# KiCad board microsdmapper.kicad_pcb
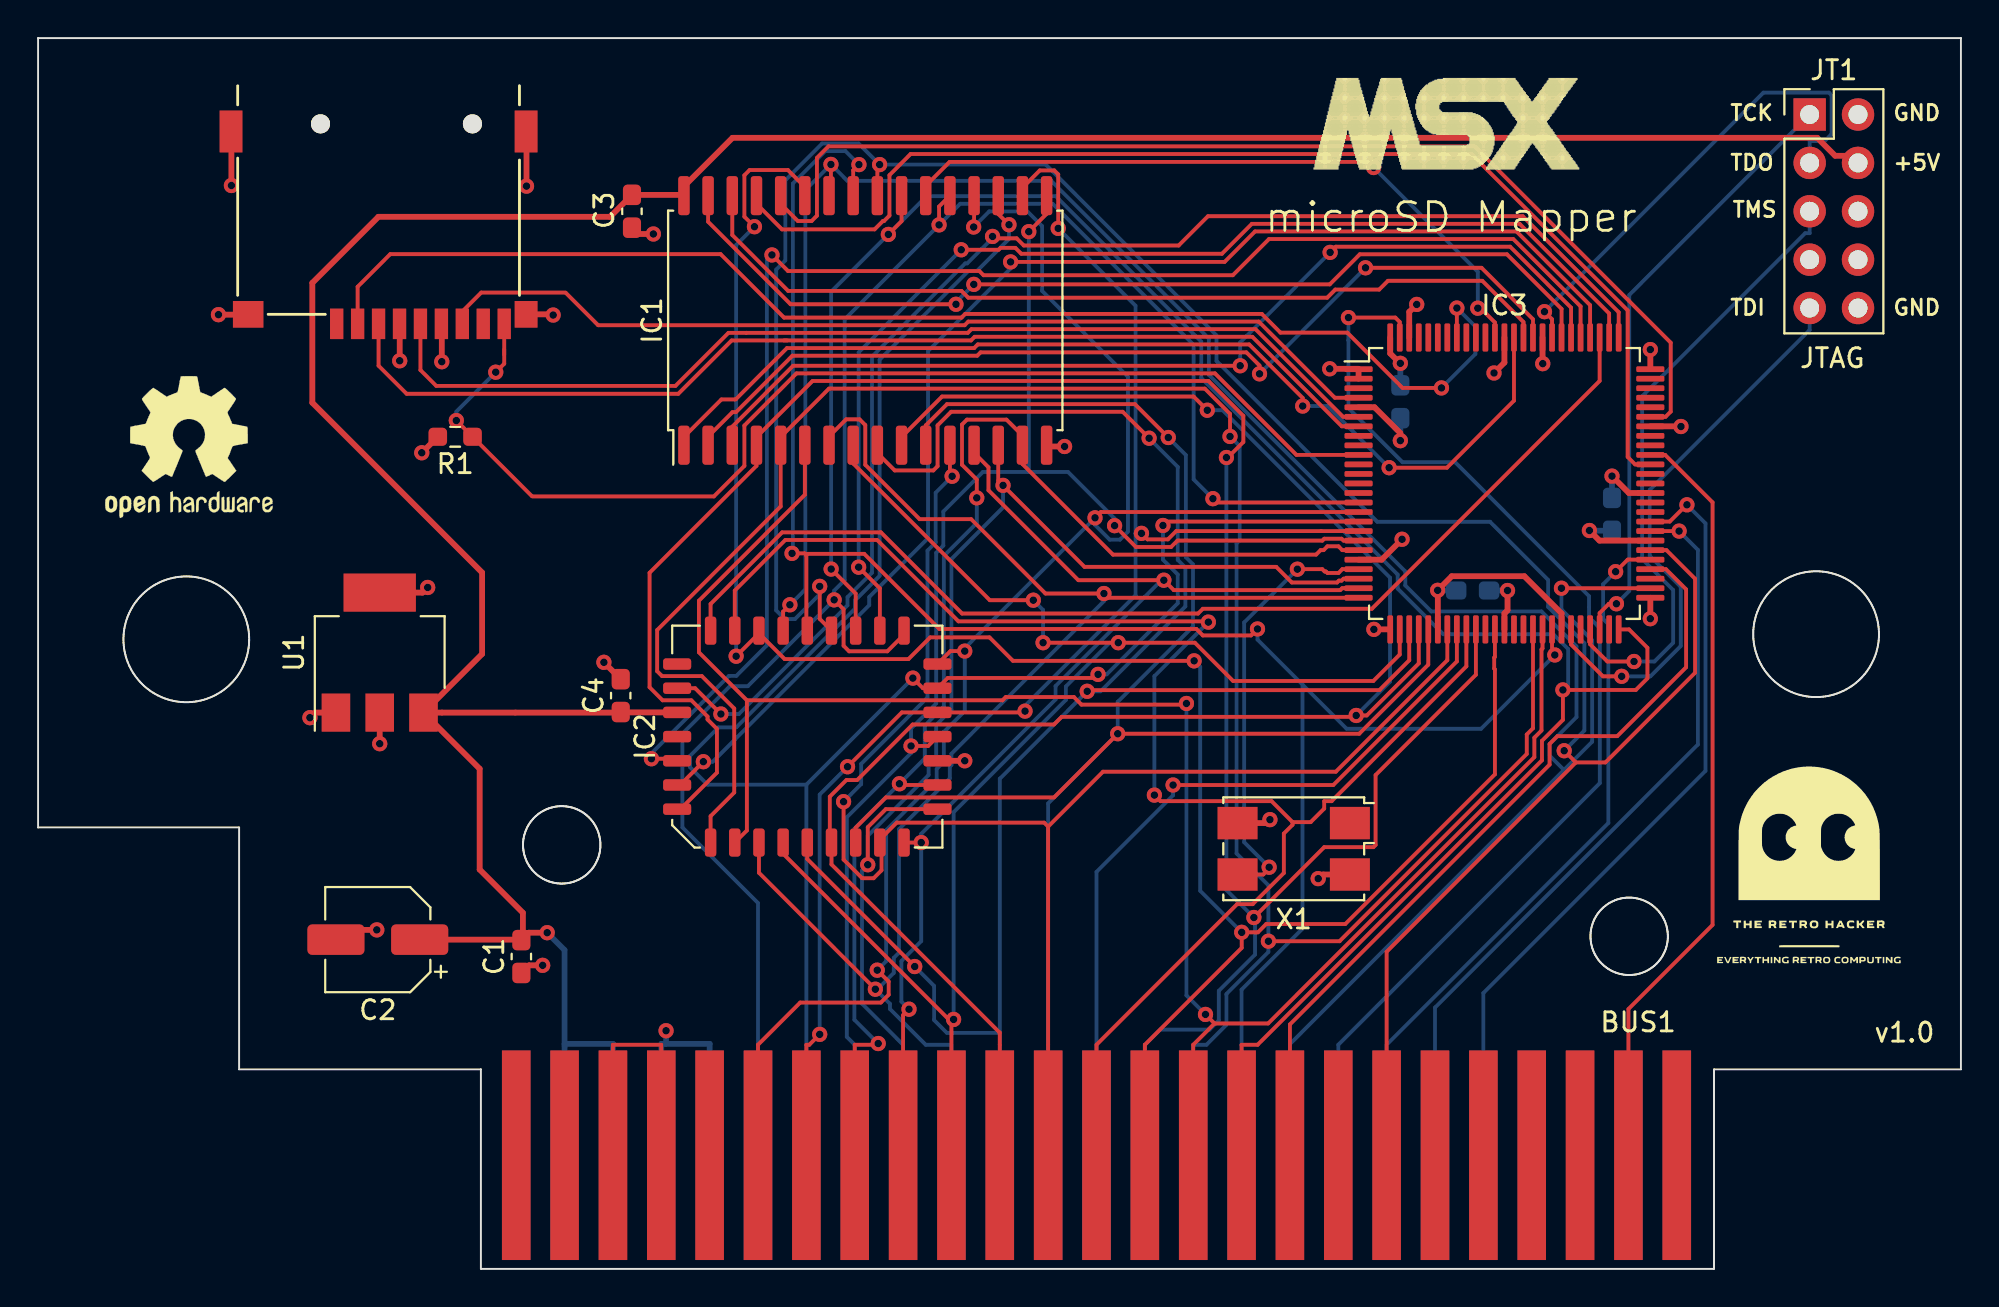
[diagram p0: board, top side]
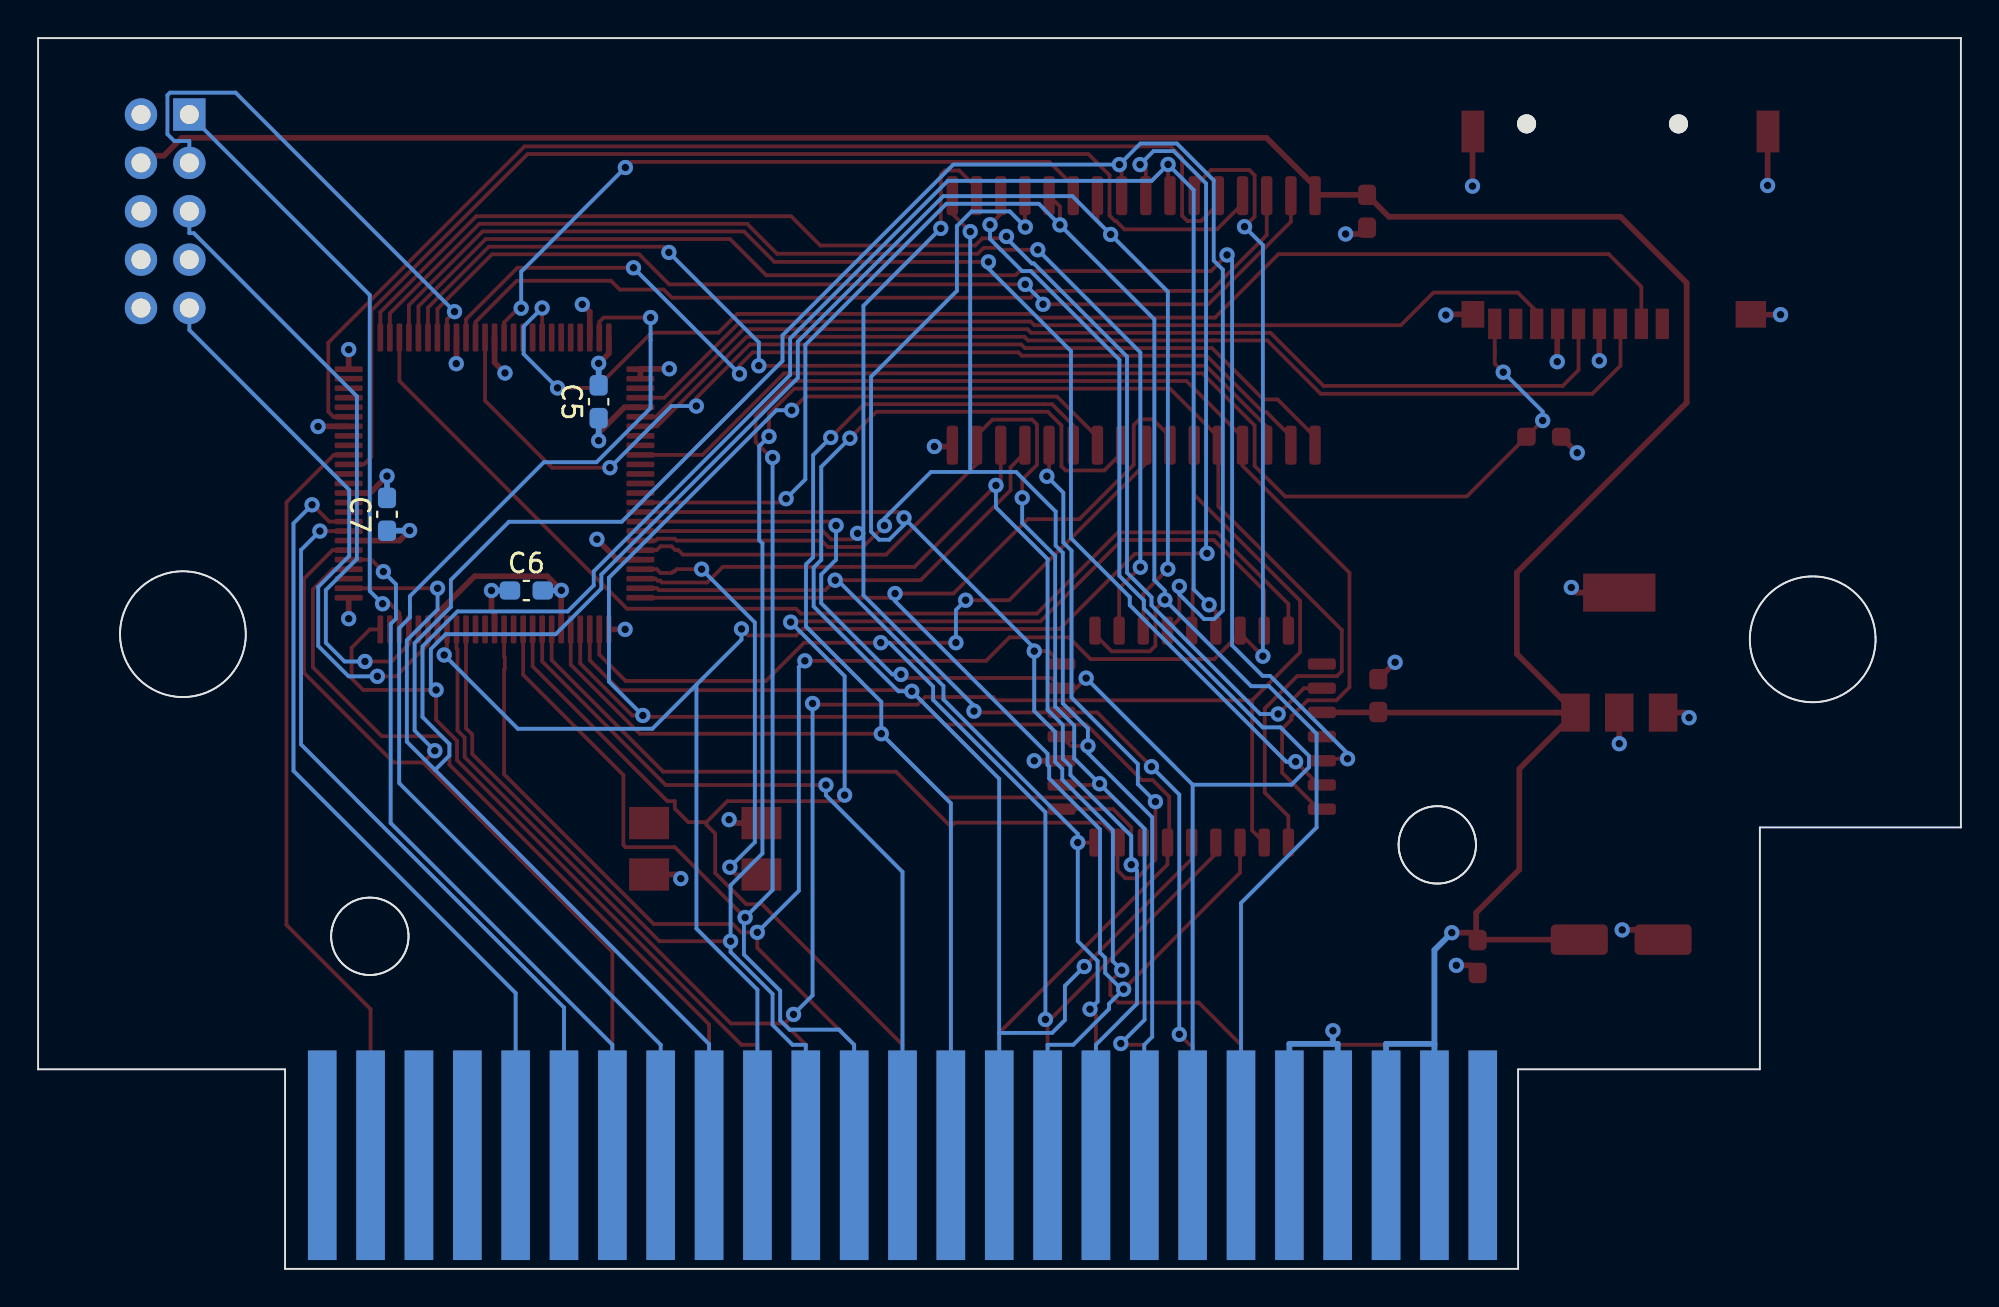
[diagram p1: board, bottom side, seen from below]

Outline 101 x 64.62 mm; copper layers: Top, In1.Cu (plane), In2.Cu (plane), Bottom. Coordinates in mm from the lower left corner of the outline.
Stack: Top 0.035mm / dielectric 0.1mm FR4 er 4.5 / In1.Cu 0.035mm / dielectric 1.24mm FR4 er 4.5 / In2.Cu 0.035mm / dielectric 0.1mm FR4 er 4.5 / Bottom 0.035mm

## Placement (name value [footprint] x y rotation side)
BUS1  MSX_SLOT_EDGE-CON  [msx_cartridge]  55.6 5.84 0 top
C1  0.1uF  [C_0603_1608Metric_Pad1.08x0.95mm_HandSolder]  25.39 16.4 90 top
C2  100uF  [CP_Elec_5x4.5]  17.85 17.29 180 top
C3  0.1uF  [C_0603_1608Metric_Pad1.08x0.95mm_HandSolder]  31.2 55.53 270 top
C4  0.1uF  [C_0603_1608Metric_Pad1.08x0.95mm_HandSolder]  30.61 30.1 90 top
C5  0.1uF  [C_0603_1608Metric_Pad1.08x0.95mm_HandSolder]  71.56 45.53 90 bottom
C6  0.1uF  [C_0603_1608Metric_Pad1.08x0.95mm_HandSolder]  75.35 35.62 180 bottom
C7  0.1uF  [C_0603_1608Metric_Pad1.08x0.95mm_HandSolder]  82.67 39.62 90 bottom
G***  LOGO  [TRH]  93.06 21.26 0 top
IC1  HM628512  [SSOP-32_11.305x20.495mm_P1.27mm]  43.45 49.8 90 top
IC2  M29F010  [PLCC-32_11.4x14.0mm_P1.27mm]  40.41 27.95 90 top
IC3  XC95144XL_TQ100  [VQFP-100_14x14mm_P0.5mm]  77.02 41.24 0 top
J1  Micro_SD_Card_Det1  [Conn_uSDcard]  17.89 60.12 180 top
JT1  JTAG1A  [PinHeader_2x05_P2.54mm_Vertical]  93.06 60.61 0 top
LOGO_MSX  -  [LOGO_MSX]  65.95 63.42 0 top
R1  4.7K  [R_0603_1608Metric_Pad0.98x0.95mm_HandSolder]  21.91 43.69 180 top
REF**  -  [OSHW-Logo2_9.8x8mm_SilkScreen]  7.93 43.16 0 top
U1  LM1117MP-3.3  [SOT-223-3_TabPin2]  17.95 32.36 90 top
X1  25 Mhz  [Crystal_SMD_7050-4Pin_7.0x5.0mm]  65.96 22.06 180 top

## Library data of the parts
BUS1 = -: Description: MSX-compatible edge-connector for the cartridge slots used in the MSX-standard.; MPN: n/a; Manufacturer: n/a
C1 C3-C7 = -: Description: Unpolarized capacitor
C2 = -: Description: Polarized capacitor
J1 = -: Description: Micro SD Card Socket with one card detection pin
R1 = -: Description: Resistor
U1 = -: Description: 800mA Low-Dropout Linear Regulator, 3.3V fixed output, SOT-223

## Footprints (pads in the part's own frame, mm; a bottom-side part is the same pattern mirrored in y, then rotated)
C_0603_1608Metric_Pad1.08x0.95mm_HandSolder
  rrect 1.075x0.95 smd: 1(-0.863,0) 2(0.863,0)
Conn_uSDcard
  round 1 hole 1 unplated: (-4.93,0) (3.05,0)
  rect 0.7x1.6 smd: 1(2.2,10.5) 2(1.1,10.5) 3(0,10.5) 4(-1.1,10.5) 5(-2.2,10.5) 6(-3.3,10.5) 7(-4.4,10.5) 8(-5.5,10.5) 9(-6.6,10.5)
  rect 1.2x1.4 smd: 6(-7.75,10)
  rect 1.2x2.2 smd: 6(-7.75,0.4) 6(7.75,0.4)
  rect 1.6x1.4 smd: 6(6.85,10)
CP_Elec_5x4.5
  rrect 3x1.6 smd: 1(-2.2,0) 2(2.2,0)
Crystal_SMD_7050-4Pin_7.0x5.0mm
  rect 2.1x1.7 smd: 1(-2.95,-1.35) 2(2.95,-1.35) 3(2.95,1.35) 4(-2.95,1.35)
msx_cartridge
  rect 1.5x11 smd far side: 1(30.48,0.127) 3(27.94,0.127) 5(25.4,0.127) 7(22.86,0.127) 9(20.32,0.127) 11(17.78,0.127) 13(15.24,0.127) 15(12.7,0.127) 17(10.16,0.127) 19(7.62,0.127) 21(5.08,0.127) 23(2.54,0.127) 25(0,0.127) 27(-2.54,0.127) 29(-5.08,0.127) 31(-7.62,0.127) 33(-10.16,0.127) 35(-12.7,0.127) 37(-15.24,0.127) 39(-17.78,0.127) 41(-20.32,0.127) 43(-22.86,0.127) 45(-25.4,0.127) 47(-27.94,0.127) 49(-30.48,0.127)
  rect 1.5x11 smd: 2(30.48,0.127) 4(27.94,0.127) 6(25.4,0.127) 8(22.86,0.127) 10(20.32,0.127) 12(17.78,0.127) 14(15.24,0.127) 16(12.7,0.127) 18(10.16,0.127) 20(7.62,0.127) 22(5.08,0.127) 24(2.54,0.127) 26(0,0.127) 28(-2.54,0.127) 30(-5.08,0.127) 32(-7.62,0.127) 34(-10.16,0.127) 36(-12.7,0.127) 38(-15.24,0.127) 40(-17.78,0.127) 42(-20.32,0.127) 44(-22.86,0.127) 46(-25.4,0.127) 48(-27.94,0.127) 50(-30.48,0.127)
PinHeader_2x05_P2.54mm_Vertical
  rect 1.7x1.7 hole 1: 1(0,0)
  oval 1.7x1.7 hole 1: 2(2.54,0) 3(0,-2.54) 4(2.54,-2.54) 5(0,-5.08) 6(2.54,-5.08) 7(0,-7.62) 8(2.54,-7.62) 9(0,-10.16) 10(2.54,-10.16)
PLCC-32_11.4x14.0mm_P1.27mm
  rrect 0.6x1.475 smd: 1(0,6.838) 2(-1.27,6.838) 3(-2.54,6.838) 4(-3.81,6.838) 14(-3.81,-6.838) 15(-2.54,-6.838) 16(-1.27,-6.838) 17(0,-6.838) 18(1.27,-6.838) 19(2.54,-6.838) 20(3.81,-6.838) 30(3.81,6.838) 31(2.54,6.838) 32(1.27,6.838)
  rrect 1.475x0.6 smd: 5(-5.562,5.08) 6(-5.562,3.81) 7(-5.562,2.54) 8(-5.562,1.27) 9(-5.562,0) 10(-5.562,-1.27) 11(-5.562,-2.54) 12(-5.562,-3.81) 13(-5.562,-5.08) 21(5.562,-5.08) 22(5.562,-3.81) 23(5.562,-2.54) 24(5.562,-1.27) 25(5.562,0) 26(5.562,1.27) 27(5.562,2.54) 28(5.562,3.81) 29(5.562,5.08)
R_0603_1608Metric_Pad0.98x0.95mm_HandSolder
  rrect 0.975x0.95 smd: 1(-0.912,0) 2(0.912,0)
SOT-223-3_TabPin2
  rect 2x1.5 smd: 1(-3.15,2.3) 2(-3.15,0) 3(-3.15,-2.3)
  rect 2x3.8 smd: 2(3.15,0)
SSOP-32_11.305x20.495mm_P1.27mm
  rrect 2.05x0.6 smd: 1(-6.55,9.525) 2(-6.55,8.255) 3(-6.55,6.985) 4(-6.55,5.715) 5(-6.55,4.445) 6(-6.55,3.175) 7(-6.55,1.905) 8(-6.55,0.635) 9(-6.55,-0.635) 10(-6.55,-1.905) 11(-6.55,-3.175) 12(-6.55,-4.445) 13(-6.55,-5.715) 14(-6.55,-6.985) 15(-6.55,-8.255) 16(-6.55,-9.525) 17(6.55,-9.525) 18(6.55,-8.255) 19(6.55,-6.985) 20(6.55,-5.715) 21(6.55,-4.445) 22(6.55,-3.175) 23(6.55,-1.905) 24(6.55,-0.635) 25(6.55,0.635) 26(6.55,1.905) 27(6.55,3.175) 28(6.55,4.445) 29(6.55,5.715) 30(6.55,6.985) 31(6.55,8.255) 32(6.55,9.525)
VQFP-100_14x14mm_P0.5mm
  rrect 1.475x0.3 smd: 1(-7.662,6) 2(-7.662,5.5) 3(-7.662,5) 4(-7.662,4.5) 5(-7.662,4) 6(-7.662,3.5) 7(-7.662,3) 8(-7.662,2.5) 9(-7.662,2) 10(-7.662,1.5) 11(-7.662,1) 12(-7.662,0.5) 13(-7.662,0) 14(-7.662,-0.5) 15(-7.662,-1) 16(-7.662,-1.5) 17(-7.662,-2) 18(-7.662,-2.5) 19(-7.662,-3) 20(-7.662,-3.5) 21(-7.662,-4) 22(-7.662,-4.5) 23(-7.662,-5) 24(-7.662,-5.5) 25(-7.662,-6) 51(7.662,-6) 52(7.662,-5.5) 53(7.662,-5) 54(7.662,-4.5) 55(7.662,-4) 56(7.662,-3.5) 57(7.662,-3) 58(7.662,-2.5) 59(7.662,-2) 60(7.662,-1.5) 61(7.662,-1) 62(7.662,-0.5) 63(7.662,0) 64(7.662,0.5) 65(7.662,1) 66(7.662,1.5) 67(7.662,2) 68(7.662,2.5) 69(7.662,3) 70(7.662,3.5) 71(7.662,4) 72(7.662,4.5) 73(7.662,5) 74(7.662,5.5) 75(7.662,6)
  rrect 0.3x1.475 smd: 26(-6,-7.662) 27(-5.5,-7.662) 28(-5,-7.662) 29(-4.5,-7.662) 30(-4,-7.662) 31(-3.5,-7.662) 32(-3,-7.662) 33(-2.5,-7.662) 34(-2,-7.662) 35(-1.5,-7.662) 36(-1,-7.662) 37(-0.5,-7.662) 38(0,-7.662) 39(0.5,-7.662) 40(1,-7.662) 41(1.5,-7.662) 42(2,-7.662) 43(2.5,-7.662) 44(3,-7.662) 45(3.5,-7.662) 46(4,-7.662) 47(4.5,-7.662) 48(5,-7.662) 49(5.5,-7.662) 50(6,-7.662) 76(6,7.662) 77(5.5,7.662) 78(5,7.662) 79(4.5,7.662) 80(4,7.662) 81(3.5,7.662) 82(3,7.662) 83(2.5,7.662) 84(2,7.662) 85(1.5,7.662) 86(1,7.662) 87(0.5,7.662) 88(0,7.662) 89(-0.5,7.662) 90(-1,7.662) 91(-1.5,7.662) 92(-2,7.662) 93(-2.5,7.662) 94(-3,7.662) 95(-3.5,7.662) 96(-4,7.662) 97(-4.5,7.662) 98(-5,7.662) 99(-5.5,7.662) 100(-6,7.662)

## Nets
+3.3V: C5.1 C6.1 C7.1 IC3.5 IC3.26 IC3.38 IC3.51 IC3.57 IC3.88 IC3.98 J1.4 R1.2 U1.2 X1.4
+5V: BUS1.45 BUS1.47 C1.2 C2.1 C3.1 C4.1 IC1.32 IC2.32 JT1.4 U1.3
GND: BUS1.41 BUS1.43 C1.1 C2.2 C3.2 C4.2 C5.2 C6.2 C7.2 IC1.16 IC2.16 IC3.1 IC3.2 IC3.21 IC3.31 IC3.44 IC3.62 IC3.69 IC3.75 IC3.84 IC3.100 J1.6 JT1.2 JT1.10 U1.1 X1.2
/MSX_A0: BUS1.28 IC1.12 IC2.12 IC3.32
/MSX_A1: BUS1.27 IC1.11 IC2.11 IC3.30
/MSX_A2: BUS1.30 IC1.10 IC2.10 IC3.29
/MSX_A3: BUS1.29 IC1.9 IC2.9 IC3.28
/MSX_A4: BUS1.32 IC1.8 IC2.8 IC3.27
/MSX_A5: BUS1.31 IC1.7 IC2.7 IC3.25
/MSX_A6: BUS1.22 IC1.6 IC2.6 IC3.42
/MSX_A7: BUS1.21 IC1.5 IC2.5 IC3.41
/MSX_A8: BUS1.24 IC1.27 IC2.27 IC3.37
/MSX_A9: BUS1.17 IC1.26 IC2.26 IC3.52
/MSX_A10: BUS1.20 IC1.23 IC2.23 IC3.50
/MSX_A11: BUS1.19 IC1.25 IC2.25 IC3.43
/MSX_A12: BUS1.23 IC1.4 IC2.4 IC3.35
/MSX_A13: BUS1.26 IC2.28 IC3.34
/MSX_A14: BUS1.25 IC3.33
/MSX_A15: BUS1.18 IC3.54
/MSX_D0: BUS1.34 IC1.13 IC2.13 IC3.24
/MSX_D1: BUS1.33 IC1.14 IC2.14 IC3.23
/MSX_D2: BUS1.36 IC1.15 IC2.15 IC3.20
/MSX_D3: BUS1.35 IC1.17 IC2.17 IC3.19
/MSX_D4: BUS1.38 IC1.18 IC2.18 IC3.18
/MSX_D5: BUS1.37 IC1.19 IC2.19 IC3.17
/MSX_D6: BUS1.40 IC1.20 IC2.20 IC3.16
/MSX_D7: BUS1.39 IC1.21 IC2.21 IC3.15
/MSX_IORQ: BUS1.11 IC3.58
/MSX_M1: BUS1.9 IC3.59
/MSX_RD: BUS1.14 IC1.24 IC2.24 IC3.56
/MSX_RESET: BUS1.15 IC3.99
/MSX_SLTSL: BUS1.4 IC3.66
/MSX_WR: BUS1.13 IC3.55
/RAM_A13: IC1.28 IC3.70
/RAM_A14: IC1.3 IC3.81
/RAM_A15: IC1.31 IC3.82
/RAM_A16: IC1.2 IC3.85
/RAM_A17: IC1.30 IC3.86
/RAM_A18: IC1.1 IC3.87
/RAM_CS: IC1.22 IC3.89
/RAM_WE: IC1.29 IC3.65
/ROM_A14: IC2.29 IC3.78
/ROM_A15: IC2.3 IC3.79
/ROM_A16: IC2.2 IC3.80
/ROM_CS: IC2.22 IC3.77
/ROM_WE: IC2.31 IC3.76
/SD_CD0: IC3.10 J1.9 R1.1
/SD_CS0: IC3.93 J1.2
/SD_MISO: IC3.4 J1.7
/SD_MOSI: IC3.7 J1.3
/SD_SCLK: IC3.6 J1.5
Net-(BUS1-SW1): BUS1.44 BUS1.46
Net-(IC3-PB00_16/GCK1): IC3.22 X1.3
Net-(IC3-TCK): IC3.48 JT1.1
Net-(IC3-TDI): IC3.45 JT1.9
Net-(IC3-TDO): IC3.83 JT1.3
Net-(IC3-TMS): IC3.47 JT1.5

Pads without a net: BUS1 1 2 3 5 6 7 8 10 12 16 42 48 49 50; IC2 1 30; IC3 3 8 9 11 12 13 14 36 39 40 46 49 53 60 61 63 64 67 68 71 72 73 74 90 91 92 94 95 96 97; J1 1 8; JT1 6 7 8; X1 1

## Via types
v1: diameter 0.8, hole 0.4, Top to Bottom, 135 vias

## Routing (per net, layer and track width the routed paths; a pad name or vN(x,y) marks a point on that pad's centre or on a via; arc(x,y) is an arc through that point)
+3.3V: length 27.1
  Top w0.3: IC3.98 72.02,50.24 v1(72.42,50.64) ; IC3.38 77.02,34.41 77.19,34.58 v1(77.19,35.62) ; v1(84.69,34.14) IC3.51 ; X1.4 67.51,20.71 67.29,20.49 v1(67.24,20.49) ; v1(70.17,33.58) 71.02,33.58 IC3.26 ; IC3.88 77.02,47.58 v1(76.48,47.04) ; IC3.5 70.2,45.24 71.56,43.88 v1(71.56,43.48) ; v1(19,47.68) 19,49.61 J1.4 ; R1.2 v1(20.15,42.85) ; v1(20.46,35.78) 20.2,35.51 U1.2 ; IC3.57 82.02,38.24 v1(81.49,38.77) ; v1(17.95,27.57) U1.2
  Bottom w0.3: v1(77.19,35.62) C6.1 ; v1(71.56,43.48) C5.1 ; v1(81.49,38.77) 81.5,38.75 C7.1
+5V: length 167.5
  Top w0.3: 33.93,56.39 C3.1 30.04,55.24 17.88,55.24 14.41,51.77 14.41,45.48 23.33,36.56 23.33,32.29 U1.3 ; 33.93,56.39 IC1.32 ; 33.93,56.39 33.93,56.83 36.48,59.38 93.45,59.38 94.4,58.44 95.22,58.44 JT1.4 ; U1.3 30.58,29.21 C4.1 30.63,29.22 IC2.32 ; U1.3 23.2,26.26 23.2,20.97 25.47,18.7 25.47,17.34 C1.2 ; C1.2 25.77,17.65 v1(26.74,17.65) ; C1.2 25.36,17.29 C2.1
  Bottom w0.3: BUS1.47 27.66,11.82 ; 27.66,11.82 30.2,11.82 BUS1.45 ; 27.66,11.82 27.66,16.74 v1(26.74,17.65)
GND: length 61.7
  Top w0.3: v1(64.7,23.59) 64.59,23.59 64.41,23.41 X1.2 ; IC3.31 73.52,35.62 v1(73.52,35.63) 74.26,36.37 78.07,36.37 80.02,34.41 IC3.44 ; IC3.21 70.58,37.24 v1(71.65,38.31) ; J1.6 11.02,50.1 v1(9.48,50.1) ; v1(67.85,47.26) 69.34,47.26 IC3.1 IC3.2 ; v1(86.3,44.23) 86.29,44.24 IC3.69 ; J1.6 21.21,49.6 v1(21.21,47.63) ; v1(82.67,41.62) 83.56,40.74 IC3.62 ; v1(29.72,31.85) C4.2 ; v1(26.5,15.94) 25.79,15.94 C1.1 ; J1.6 27.02,50.12 v1(27.06,50.08) ; v1(14.28,28.94) 14.55,29.21 U1.1 ; IC3.84 79.02,47.54 v1(79.04,47.53) ; v1(71.56,47.54) 71.54,47.54 71.02,48.06 IC3.100 ; 10.16,58.6 v1(10.16,56.88) ; IC1.16 53.04,43.18 v1(53.92,43.18) ; v1(17.79,17.8) 16.16,17.8 C2.2 ; 25.66,58.6 v1(25.66,56.85) ; v1(32.32,54.33) 31.52,54.33 C3.2 ; IC2.16 v1(48.68,26.68) ; IC3.75 v1(84.69,48.27)
  Bottom w0.3: 32.99,11.82 35.28,11.82 BUS1.41 ; 32.99,11.82 32.74,11.82 BUS1.43 ; 32.99,11.82 v1(32.99,12.5) ; C6.2 73.53,35.62 v1(73.52,35.63) ; C7.2 v1(82.67,41.62) ; C5.2 v1(71.56,47.54)
/MSX_A0: length 81.1
  Top w0.2: IC1.12 47.9,41.73 v1(48.01,41.62) ; IC3.32 74.02,31.96 68.17,26.1 55.94,26.1 53.06,23.22 ; v1(42.31,24.53) 42.31,21.49 43.29,20.51 43.89,20.51 44.3,20.93 44.3,22.3 IC2.12 44.22,22.54 45.1,23.43 52.85,23.43 53.06,23.22 ; 53.06,23.22 BUS1.28
  Bottom w0.2: v1(42.31,24.53) 43.23,25.45 43.23,26.51 46.72,30 46.72,37.71 47.15,38.14 47.15,40.75 v1(48.01,41.62)
/MSX_A1: length 92.6
  Top w0.2: IC3.30 73.02,31.72 69.4,28.1 v1(56.71,28.1) 53.37,24.75 44.53,24.75 42.95,23.16 IC2.11 ; v1(59.37,43.65) 57.61,45.4 47.74,45.4 46.63,44.29 IC1.11
  Bottom w0.2: BUS1.27 53.06,24.44 v1(56.71,28.1) 56.71,29.77 60.66,33.73 60.66,36.99 60.29,37.36 60.29,42.73 v1(59.37,43.65)
/MSX_A2: length 97
  Top w0.2: IC3.29 72.52,31.79 69.79,29.06 v1(69.24,29.06) 69.16,28.99 53.77,28.99 53.36,28.58 45.94,28.58 43.02,25.66 42.46,25.66 41.59,24.8 41.59,22.47 IC2.10 41.68,21.24 50.52,12.4 BUS1.30 ; IC1.10 45.36,43.67 47.48,45.8 60.7,45.8 v1(61.42,45.08)
  Bottom w0.2: v1(69.24,29.06) 71.01,30.84 71.01,36.29 62.22,45.08 v1(61.42,45.08)
/MSX_A3: length 96.1
  Top w0.2: v1(46.05,15.87) 40.41,21.52 IC2.9 ; IC1.9 44.09,42.83 45,41.92 47.03,41.92 47.25,42.14 47.25,44.29 47.96,45 56.97,45 v1(58.36,43.61) ; IC3.28 72.02,31.95 70.45,30.39 55.17,30.39 v1(55.11,30.33)
  Bottom w0.2: 50.52,12.39 47.74,12.39 47.06,13.06 47.06,14.86 v1(46.05,15.87) ; 50.52,12.39 BUS1.29 ; 50.52,12.39 50.52,25.73 v1(55.11,30.33) 55.81,30.33 60.26,34.78 60.26,36.82 59.86,37.22 59.86,42.11 v1(58.36,43.61)
/MSX_A4: length 81.2
  Top w0.2: BUS1.32 47.98,13.1 ; 47.98,13.1 v1(48.09,13.1) ; 47.98,13.1 47.83,13.1 39.14,21.8 IC2.8 ; IC1.8 42.82,42.28 49.99,35.11 v1(52.28,35.11) ; v1(52.79,32.88) v1(56.74,32.88) 60.76,32.88 62.77,30.87 70.14,30.87 71.52,32.25 IC3.27
  Bottom w0.2: v1(56.74,32.88) 56.29,32.88 53.99,30.58 53.99,29.87 48.09,23.98 v1(48.09,13.1) ; v1(52.28,35.11) 52.79,34.59 v1(52.79,32.88)
/MSX_A5: length 80.9
  Top w0.2: v1(43.98,14.68) 37.87,20.8 IC2.7 ; IC3.25 69.36,35.24 56.21,35.24 v1(55.99,35.46) 52.92,35.46 49.01,39.36 46.3,39.36 43.45,42.22 43.45,44.3 43.15,44.6 42.44,44.6 41.55,43.7 IC1.7
  Bottom w0.2: 44.04,14.63 44.95,15.54 44.95,16.33 45.22,16.61 45.22,23.08 47.89,25.75 47.89,26.37 47.98,26.46 47.98,27.05 55.99,35.06 v1(55.99,35.46) ; 44.04,14.63 v1(43.98,14.68) ; 44.04,14.63 44.74,13.92 44.74,13.65 46.63,11.77 47.98,11.77 BUS1.31
/MSX_A6: length 102.1
  Top w0.2: 61.79,12.89 60.68,11.77 BUS1.22 ; 61.79,12.89 64.61,12.89 78.59,26.87 78.59,27.89 78.97,28.27 78.97,32.52 79.02,32.57 IC3.42 ; 61.79,12.89 v1(61.32,13.36) ; 37.23,29.85 37.23,23.02 IC2.6 ; 37.23,29.85 50.66,29.85 50.83,30.03 54.41,30.03 54.81,29.62 60.26,29.62 v1(60.32,29.69) ; 37.23,29.85 34.71,32.37 34.71,35.08 40.28,40.64 IC1.6
  Bottom w0.2: v1(61.32,13.36) 60.32,14.36 v1(60.32,29.69)
/MSX_A7: length 118.9
  Top w0.2: IC2.5 35.33,23.77 36.57,25.01 36.57,29.42 34.87,31.12 32.78,31.12 32.52,31.38 32.52,33.54 39.01,40.03 IC1.5 39.01,43.68 41.54,46.22 61.28,46.22 62.61,44.89 v1(62.61,43.7) ; v1(64.62,17.2) 68.36,17.2 78.19,27.04 78.19,28.06 78.52,28.39 IC3.41
  Bottom w0.2: v1(62.61,43.7) 63.12,43.19 63.12,38.26 62.95,38.09 62.95,21.81 64.62,20.14 v1(64.62,17.2) 64.62,16.64 62.42,14.43 62.42,12.81 61.37,11.77 60.68,11.77 BUS1.21
/MSX_A8: length 109.7
  Top w0.2: IC1.27 40.28,56.8 39.39,57.69 37.37,57.69 37.1,57.42 37.1,55.25 v1(37.63,54.72) ; 37.87,33.37 39.22,32.02 45.72,32.02 46.86,33.16 49.98,33.16 51.21,31.92 v1(60.72,31.92) ; 37.87,33.37 IC2.27 ; 37.87,33.37 v1(36.67,32.17) ; BUS1.24 58.14,11.77 63.22,16.85 v1(63.22,17.67) 64.07,17.67 64.51,18.1 68.66,18.1 76.52,25.97 76.52,31.48 76.49,31.52 76.49,32.09 76.52,32.13 IC3.37
  Bottom w0.2: v1(36.67,32.17) 36.67,53.75 v1(37.63,54.72) ; v1(63.22,17.67) 61.04,19.85 61.04,31.6 v1(60.72,31.92)
/MSX_A9: length 127.5
  Top w0.2: IC1.26 41.65,56.45 v1(41.65,57.99) ; IC3.52 v1(80.02,35.74) ; v1(39.49,34.87) 39.14,34.51 IC2.26
  Bottom w0.2: 80.15,26.2 65.76,11.8 BUS1.17 ; 80.15,26.2 79.39,26.95 79.39,27.56 80.81,28.97 80.81,32.68 78.97,34.52 73.18,34.52 71.81,35.88 71.81,36.62 61.5,46.94 61.5,48.84 53.22,57.13 42.51,57.13 v1(41.65,57.99) 40.3,56.64 40.3,35.68 v1(39.49,34.87) ; 80.15,26.2 81.63,27.68 81.63,33.01 80.02,34.62 v1(80.02,35.74)
/MSX_A10: length 115.2
  Top w0.2: v1(44.66,54.31) 45.36,55 IC1.23 ; v1(41.66,36.74) 42.95,35.46 IC2.23 ; IC3.50 83.57,33.57 84.53,32.61 84.53,31 83.92,30.4 v1(80.09,30.4) 80.09,28.83 78.99,27.73 78.99,26.7 64.06,11.77 63.22,11.77 BUS1.20
  Bottom w0.2: v1(80.09,30.4) 80.37,30.67 80.37,32.54 79.59,33.32 73.81,33.32 71.41,35.72 71.41,36.45 61.1,46.77 61.1,48.68 53.46,56.32 46.67,56.32 v1(44.66,54.31) 41.66,51.31 v1(41.66,36.74)
/MSX_A11: length 103.2
  Top w0.2: IC3.43 79.52,32.38 v1(79.67,32.23) ; 40.36,37.48 40.42,37.54 43.39,37.54 47.34,33.6 60.84,33.6 61.18,33.26 63.71,33.26 v1(64.05,33.6) ; 40.36,37.48 40.36,33.56 IC2.25 ; 40.36,37.48 40.27,37.57 v1(39.6,37.57) ; IC1.25 42.82,57.68 v1(43.12,57.98)
  Bottom w0.2: v1(64.05,33.6) 64.05,33.04 66.42,30.67 ; 66.42,30.67 66.42,17.87 63.22,14.66 BUS1.19 ; 66.42,30.67 68.73,28.36 75.79,28.36 v1(79.67,32.23) ; v1(39.6,37.57) 39.65,37.61 39.65,56.98 41.35,58.69 42.41,58.69 v1(43.12,57.98)
/MSX_A12: length 118
  Top w0.2: IC2.4 33.74,24.14 35.66,26.05 35.66,28.35 35.17,28.84 35.17,29 34.31,29.85 32.8,29.85 32.12,30.54 32.12,36.55 37.74,42.16 IC1.4 37.74,43.67 40.68,46.62 61.48,46.62 63.31,44.79 63.31,43.41 62.49,42.6 v1(62.42,42.6) ; v1(63.86,18.45) 67.56,22.14 70.14,22.14 70.26,22.26 70.26,25.93 75.52,31.19 IC3.35
  Bottom w0.2: BUS1.23 58.14,11.77 58.93,12.56 61.53,12.56 62.02,13.05 62.02,14.6 63.92,16.5 63.92,18.39 v1(63.86,18.45) 62.42,19.89 v1(62.42,42.6)
/MSX_A13: length 84.9
  Top w0.2: 65.89,23.46 65.89,23.32 65.43,22.86 65.43,20.78 63.8,19.15 62.98,19.15 55.6,11.77 BUS1.26 ; 65.89,23.46 66.84,23.46 67.56,24.17 67.56,24.56 67.95,24.56 75.02,31.63 IC3.34 ; 65.89,23.46 64.79,24.56 58.95,24.56 v1(58.64,24.88) ; v1(61.47,33.96) 61.43,34 48.34,34 44.07,38.27 39.25,38.27 36.6,35.61 IC2.28
  Bottom w0.2: v1(61.47,33.96) 58.64,31.12 v1(58.64,24.88)
/MSX_A14: length 40.4
  Top w0.2: IC3.33 74.52,31.89 68.03,25.4 v1(59.62,25.4)
  Bottom w0.2: v1(59.62,25.4) 59.62,24.87 55.6,20.85 BUS1.25
/MSX_A15: length 42.5
  Top w0.2: IC3.54 85.51,36.74 86.57,35.68 86.57,31.59 82.95,27.97 79.8,27.97 79.39,27.56 79.39,26.48 65.76,12.84 BUS1.18
/MSX_D0: length 61.5
  Top w0.2: IC3.24 68.64,35.74 68.49,35.74 68.39,35.64 59.65,35.64 v1(59.13,36.16) 54.64,36.16 49.92,40.88 49.92,42.09 49.17,42.84 IC1.13 ; BUS1.34 45.44,13.32 v1(45.75,13.64) ; IC2.13 v1(46.39,22.38)
  Bottom w0.2: v1(59.13,36.16) 59,36.16 53.45,30.6 53.45,29.9 46.39,22.84 v1(46.39,22.38) 46.39,17.21 45.35,16.16 45.35,14.04 v1(45.75,13.64)
/MSX_D1: length 68.2
  Top w0.2: IC3.23 68.57,36.24 68.47,36.14 68.33,36.14 68.23,36.04 65.86,36.04 65.03,36.86 54.96,36.86 v1(50.69,41.14) 50.44,41.39 IC1.14 ; v1(43.58,21.22) 43.58,23.19 44.53,24.14 IC2.14
  Bottom w0.2: BUS1.33 45.44,11.77 43.28,13.92 43.28,20.92 v1(43.58,21.22) 43.58,22.73 46.78,25.93 46.78,26.39 47.18,26.79 47.18,28.56 47.98,29.36 47.98,37.27 50.69,39.98 v1(50.69,41.14)
/MSX_D2: length 70.1
  Top w0.2: IC3.20 68.5,37.74 68.3,37.94 67.72,37.94 67.52,37.74 67.37,37.74 67.13,37.5 56.46,37.5 51.71,42.26 IC1.15 51.71,43.75 50.87,44.59 48.79,44.59 48.53,44.33 48.53,42.22 49.31,41.44 v1(49.31,40.48) ; v1(44.13,11.83) 44.06,11.77 42.9,11.77 BUS1.36 ; v1(45.24,25.47) 45.31,25.41 IC2.15
  Bottom w0.2: v1(49.31,40.48) 49.31,39.17 47.58,37.43 47.58,29.52 46.58,28.52 46.58,26.8 v1(45.24,25.47) 42.88,23.11 42.88,13.08 v1(44.13,11.83)
/MSX_D3: length 77.3
  Top w0.2: IC2.17 46.75,27.45 v1(45.85,27.45) ; IC3.19 68.57,38.24 68.47,38.34 67.56,38.34 67.46,38.24 59.85,38.24 59.51,37.9 57.67,37.9 v1(56.55,39.02) ; IC1.17 52.98,55.39 v1(52.04,54.46)
  Bottom w0.2: 52.04,41.84 v1(52.04,54.46) ; 52.04,41.84 54.1,41.84 56.55,39.39 v1(56.55,39.02) ; 52.04,41.84 49.63,41.84 47.55,39.76 47.55,37.97 47.18,37.6 47.18,29.69 45.85,28.37 v1(45.85,27.45) 45.85,27.08 42.48,23.71 42.48,12.18 42.9,11.77 BUS1.35
/MSX_D4: length 79
  Top w0.2: BUS1.38 40.36,11.77 40.51,11.77 v1(41.06,12.31) ; IC1.18 51.71,56.76 52.62,57.67 53.38,57.67 53.58,57.46 v1(53.58,54.63) ; v1(42.52,26.36) 45.37,29.22 IC2.18 51.77,29.22 v1(51.84,29.28) ; v1(57.96,38.62) 58.27,38.3 59.35,38.3 59.78,38.74 67.39,38.74 IC3.18
  Bottom w0.2: 57.65,38.62 57.65,50.57 v1(53.58,54.63) ; 57.65,38.62 v1(57.96,38.62) ; 57.65,38.62 57.65,35.37 51.84,29.56 v1(51.84,29.28) ; v1(42.52,26.36) 41.06,24.9 v1(41.06,12.31)
/MSX_D5: length 102.6
  Top w0.2: v1(51,54.82) 50.44,55.38 IC1.19 ; IC3.17 59.29,39.24 v1(59.09,39.03) ; v1(45.95,31.02) 46.48,30.49 IC2.19 47.78,31.03 55.49,31.03 v1(55.68,31.21)
  Bottom w0.2: 40.36,25.42 v1(45.95,31.02) ; 40.36,25.42 BUS1.37 ; 40.36,25.42 35.16,25.42 34.25,26.34 34.25,26.94 35.74,28.43 36.68,28.43 42.91,34.67 42.91,35.1 44.2,36.39 44.2,47.73 48.86,52.39 49.31,52.39 51,54.07 v1(51,54.82) ; v1(59.09,39.03) 59.09,37.24 59.86,36.46 59.86,34.95 56.13,31.21 v1(55.68,31.21)
/MSX_D6: length 85.9
  Top w0.2: IC3.16 55.82,39.74 v1(55.52,39.43) ; v1(44.08,15.68) 44.68,15.08 44.68,14.39 44.27,13.98 40.03,13.98 37.82,11.77 BUS1.40 ; v1(49.14,54.7) 49.17,54.72 IC1.20 ; v1(48.68,32.44) 47.92,32.44 IC2.20
  Bottom w0.2: v1(44.08,15.68) 44.55,16.15 44.55,23.03 47.2,25.69 47.2,26.25 47.58,26.62 47.58,28.19 48.68,29.29 v1(48.68,32.44) 48.68,32.59 v1(55.52,39.43) 55.52,39.06 56.29,38.28 56.82,38.28 57.25,38.71 57.25,46.84 52.74,51.34 52.74,54.75 51.97,55.52 49.96,55.52 v1(49.14,54.7)
/MSX_D7: length 98
  Top w0.2: IC1.21 47.33,55.78 v1(47.33,54.81) ; v1(41.81,35.13) 42.31,34.63 42.31,32.72 42.6,32.42 44.61,32.42 45.49,33.3 IC2.21 ; v1(61.71,40.44) 61.91,40.24 IC3.15
  Bottom w0.2: v1(61.71,40.44) 60.7,41.45 60.7,48.51 53.29,55.92 48.43,55.92 v1(47.33,54.81) 42.37,49.85 42.37,36.16 41.81,35.61 v1(41.81,35.13) 37.28,30.59 36.34,30.59 33.85,28.1 33.85,23.18 37.82,19.21 BUS1.39
/MSX_IORQ: length 40.4
  Top w0.2: IC3.58 v1(86.2,38.74)
  Bottom w0.2: BUS1.11 73.38,13.72 87.19,27.53 87.19,37.75 v1(86.2,38.74)
/MSX_M1: length 41.7
  Top w0.2: IC3.59 85.71,39.24 86.59,40.12 v1(86.61,40.12)
  Bottom w0.2: v1(86.61,40.12) 87.59,39.14 87.59,26.15 75.92,14.48 BUS1.9
/MSX_RD: length 133.5
  Top w0.2: 80.77,26.59 82.33,26.59 87.04,31.3 87.04,36.23 85.53,37.74 IC3.56 ; 80.77,26.59 v1(80.16,27.2) ; 80.77,26.59 70.84,16.65 BUS1.14 ; IC2.24 41.06,34.13 v1(41.06,35.83) ; IC1.24 44.09,57.86 v1(44.2,57.98)
  Bottom w0.2: v1(80.16,27.2) 81.22,28.27 81.22,32.85 79.32,34.75 79.32,36.17 76.27,39.23 70.34,39.23 61.9,47.67 61.9,49.01 52.93,57.98 v1(44.2,57.98) 43.09,59.09 41.19,59.09 39.25,57.15 39.25,52.94 38.77,52.47 38.77,34.57 39.22,34.12 39.76,34.12 41.06,35.42 v1(41.06,35.83)
/MSX_RESET: length 60.4
  Top w0.2: IC3.99 71.52,49.72 71.29,49.95 v1(68.83,49.95)
  Bottom w0.2: BUS1.15 68.3,11.77 82.03,25.5 82.03,33.64 81.47,34.21 81.47,34.74 81.47,35.32 74.43,42.35 71.67,42.35 68.83,45.19 68.83,48.74 68.83,48.75 68.83,49.08 68.83,49.08 v1(68.83,49.95)
/MSX_SLTSL: length 40.4
  Top w0.2: IC3.66 85.46,42.74 87.96,40.24 87.96,18.06 83.54,13.64 BUS1.4
/MSX_WR: length 37.9
  Top w0.2: IC3.55 83.49,37.24 v1(82.86,36.61)
  Bottom w0.2: BUS1.13 70.84,11.77 82.48,23.41 82.48,33.85 82.2,34.13 82.2,35.95 v1(82.86,36.61)
/RAM_A13: length 60
  Top w0.2: IC1.28 39.01,55.92 39.91,55.02 40.63,55.02 40.91,55.3 40.91,58.33 41.51,58.93 75.45,58.93 85.76,48.63 85.76,45.01 85.49,44.74 IC3.70
/RAM_A14: length 52.6
  Top w0.2: v1(67.87,53.37) 68.17,53.67 77.32,53.67 80.52,50.47 IC3.81 ; v1(63.14,47.42) 39.66,47.42 36.47,44.22 IC1.3
  Bottom w0.2: v1(67.87,53.37) 63.14,48.64 v1(63.14,47.42)
/RAM_A15: length 51.8
  Top w0.2: v1(49.15,51.69) 67.85,51.69 69.43,53.27 77.16,53.27 80.02,50.4 IC3.82 ; IC1.31 35.2,54.98 39.53,50.65 v1(48.21,50.65)
  Bottom w0.2: v1(48.21,50.65) 48.21,50.75 v1(49.15,51.69)
/RAM_A16: length 50.7
  Top w0.2: v1(64.16,46.99) 64.16,46.99 64.16,47.43 63.47,48.12 49.51,48.12 49.33,47.94 39.62,47.94 36.66,44.98 36.47,44.98 35.2,43.7 IC1.2 ; v1(69.73,52.56) 75.82,52.56 78.52,49.86 IC3.85
  Bottom w0.2: v1(64.16,46.99) v1(69.73,52.56)
/RAM_A17: length 47.1
  Top w0.2: IC3.86 78.02,49.71 75.86,51.88 70.91,51.88 70.45,51.42 68.14,51.42 67.71,50.99 48.86,50.99 48.5,51.35 39.4,51.35 36.47,54.28 IC1.30
/RAM_A18: length 53.7
  Top w0.2: IC1.1 33.93,43.68 35.89,45.65 36.64,45.65 39.33,48.34 49.17,48.34 49.36,48.54 63.62,48.54 66.43,45.73 v1(66.43,45.3) ; IC3.87 77.52,45.58 74,42.07 v1(70.96,42.07)
  Bottom w0.2: v1(70.96,42.07) 67.73,45.3 v1(66.43,45.3)
/RAM_CS: length 36.3
  Top w0.2: IC1.22 46.63,56.86 47.88,58.12 69.86,58.12 v1(70.15,57.82) ; v1(75.62,50.44) 75.77,50.44 76.52,49.69 IC3.89
  Bottom w0.2: v1(70.15,57.82) 75.62,52.35 v1(75.62,50.44)
/RAM_WE: length 62.1
  Top w0.2: IC1.29 37.74,55.92 39.08,54.58 43.94,54.58 44.37,55.01 44.43,55.01 44.72,55.3 44.72,57.42 45.83,58.53 75.28,58.53 83.5,50.32 83.5,42.63 83.89,42.24 IC3.65
/ROM_A14: length 58.8
  Top w0.2: IC2.29 35.33,34.91 39.08,38.67 44.27,38.67 48.53,34.41 60.93,34.41 61.18,34.66 70.06,34.66 82.02,46.62 IC3.78
/ROM_A15: length 69.5
  Top w0.2: IC3.79 81.52,50.6 77.65,54.47 63.92,54.47 62.32,52.87 v1(51.08,52.87) ; IC2.3 33.72,25.41 v1(34.95,26.63)
  Bottom w0.2: v1(51.08,52.87) 51.08,52.52 46.75,48.19 46.75,38.37 43.66,35.28 43.66,34.85 35.44,26.63 v1(34.95,26.63)
/ROM_A16: length 77.5
  Top w0.2: v1(32.22,26.78) 33.46,26.78 IC2.2 ; v1(38.55,53.23) 39.39,52.39 49.44,52.39 49.66,52.17 62.75,52.17 64.65,54.07 77.49,54.07 81.02,50.53 IC3.80
  Bottom w0.2: v1(32.22,26.78) 32.22,27.07 36.28,31.13 36.68,31.13 38.28,32.74 38.28,52.97 v1(38.55,53.23)
/ROM_CS: length 60.8
  Top w0.2: IC2.22 44.22,35.73 v1(43.1,36.84) ; v1(48.49,53.51) 50.45,53.51 50.55,53.61 51.33,53.61 51.64,53.3 62.18,53.3 63.76,54.87 77.82,54.87 82.52,50.16 IC3.77
  Bottom w0.2: v1(48.49,53.51) 43.1,48.12 v1(43.1,36.84)
/ROM_WE: length 71.6
  Top w0.2: IC2.31 34.51,30.49 v1(35.87,29.13) ; IC3.76 83.02,50.23 77.98,55.27 61.45,55.27 59.91,53.73 51.78,53.73 51.4,54.11 50.23,54.11 v1(50.14,54.21)
  Bottom w0.2: v1(50.14,54.21) 50.14,54.12 48.8,52.79 48.69,52.79 43.8,47.9 43.8,36.55 42.51,35.26 42.51,34.84 36.81,29.13 v1(35.87,29.13)
/SD_CD0: length 61.1
  Top w0.2: v1(24.04,47.08) 24.49,47.52 24.49,48.27 ; 25.96,40.56 35.5,40.56 37.1,42.16 37.1,44.28 39.84,47.02 61.82,47.02 66.1,42.74 IC3.10 ; 24.49,48 J1.9 ; 25.93,40.58 v1(21.97,44.54)
  Bottom w0.2: v1(21.97,44.54) 21.97,45.01 v1(24.04,47.08)
/SD_CS0: length 69.5
  Top w0.2: J1.2 16.79,51.56 18.5,53.28 35.85,53.28 39.18,49.95 48.5,49.95 48.7,50.14 64.28,50.14 65.26,49.16 68.77,49.16 71.67,46.25 v1(73.72,46.25) ; IC3.93 74.52,50.44 v1(74.53,50.45)
  Bottom w0.2: v1(74.53,50.45) 75.5,49.48 75.5,48.03 v1(73.72,46.25)
/SD_MISO: length 50.5
  Top w0.2: 27.73,51.23 29.42,49.55 48.67,49.55 48.86,49.74 64.11,49.74 68.11,45.74 IC3.4 ; 27.7,51.26 23.28,51.26 22.29,50.27 J1.7
/SD_MOSI: length 57.7
  Top w0.2: IC3.7 68.48,44.24 63.78,48.94 49.19,48.94 49,48.74 39.17,48.74 ; J1.3 17.89,47.42 19.36,45.94 33.63,45.94 36.43,48.74 39.36,48.74
/SD_SCLK: length 55.2
  Top w0.2: IC3.6 68.55,44.74 63.95,49.34 49.03,49.34 48.84,49.14 37.2,49.14 36.26,49.15 33.48,46.36 20.92,46.36 20.09,47.19 J1.5
Net-(BUS1-SW1): length 14.1
  Top w0.2: BUS1.46 30.2,11.77 32.74,11.77 BUS1.44
Net-(IC3-PB00_16/GCK1): length 22.6
  Top w0.2: v1(64.66,21.09) 64.66,21.01 64.36,20.71 X1.3 ; IC3.22 68.5,36.74 68.3,36.54 67.72,36.54 67.65,36.62 67.58,36.62 67.45,36.74 v1(66.15,36.74)
  Bottom w0.2: v1(66.15,36.74) 63.35,33.94 63.35,22.4 v1(64.66,21.09)
Net-(IC3-TCK): length 31.8
  Top w0.2: v1(82.91,34.92) 82.51,34.92 82.02,34.43 IC3.48
  Bottom w0.2: JT1.1 83.58,51.13 83.58,35.59 v1(82.91,34.92)
Net-(IC3-TDI): length 29.8
  Top w0.2: v1(83.18,31.11) 82.19,31.11 80.52,32.78 IC3.45
  Bottom w0.2: v1(83.18,31.11) 84.69,31.11 86.29,32.71 86.29,35.81 84.66,37.44 84.66,40.9 93.06,49.3 JT1.9
Net-(IC3-TDO): length 25.9
  Top w0.2: IC3.83 79.52,49.86 v1(79.13,50.26)
  Bottom w0.2: v1(79.13,50.26) 90.63,61.76 94.07,61.76 94.21,61.62 94.21,59.58 93.85,59.22 93.06,59.22 JT1.3
Net-(IC3-TMS): length 33
  Top w0.2: v1(83.83,31.89) 82.43,31.89 81.52,32.8 IC3.47
  Bottom w0.2: v1(83.83,31.89) 84.9,31.89 85.89,32.87 85.89,35.64 84.26,37.27 84.26,45.81 92.82,54.38 93.06,54.38 JT1.5

## Copper pours and planes (outline as drawn; the poured copper is in the pictures)
+3.3V on In2.Cu: 0.31,64.18 100.65,64.25 100.74,10.78 10.86,10.73 10.86,23.49 0.28,23.49
GND on In1.Cu: 0.34,64.21 100.68,64.28 100.77,10.81 10.89,10.76 10.89,23.52 0.31,23.52

## Text on the board
F.Silkscreen: TCK | TDO | TDI | TMS | GND | +5V | v1.0 | microSD Mapper
